# KiCad board element_foxtrot.kicad_pcb (continued)
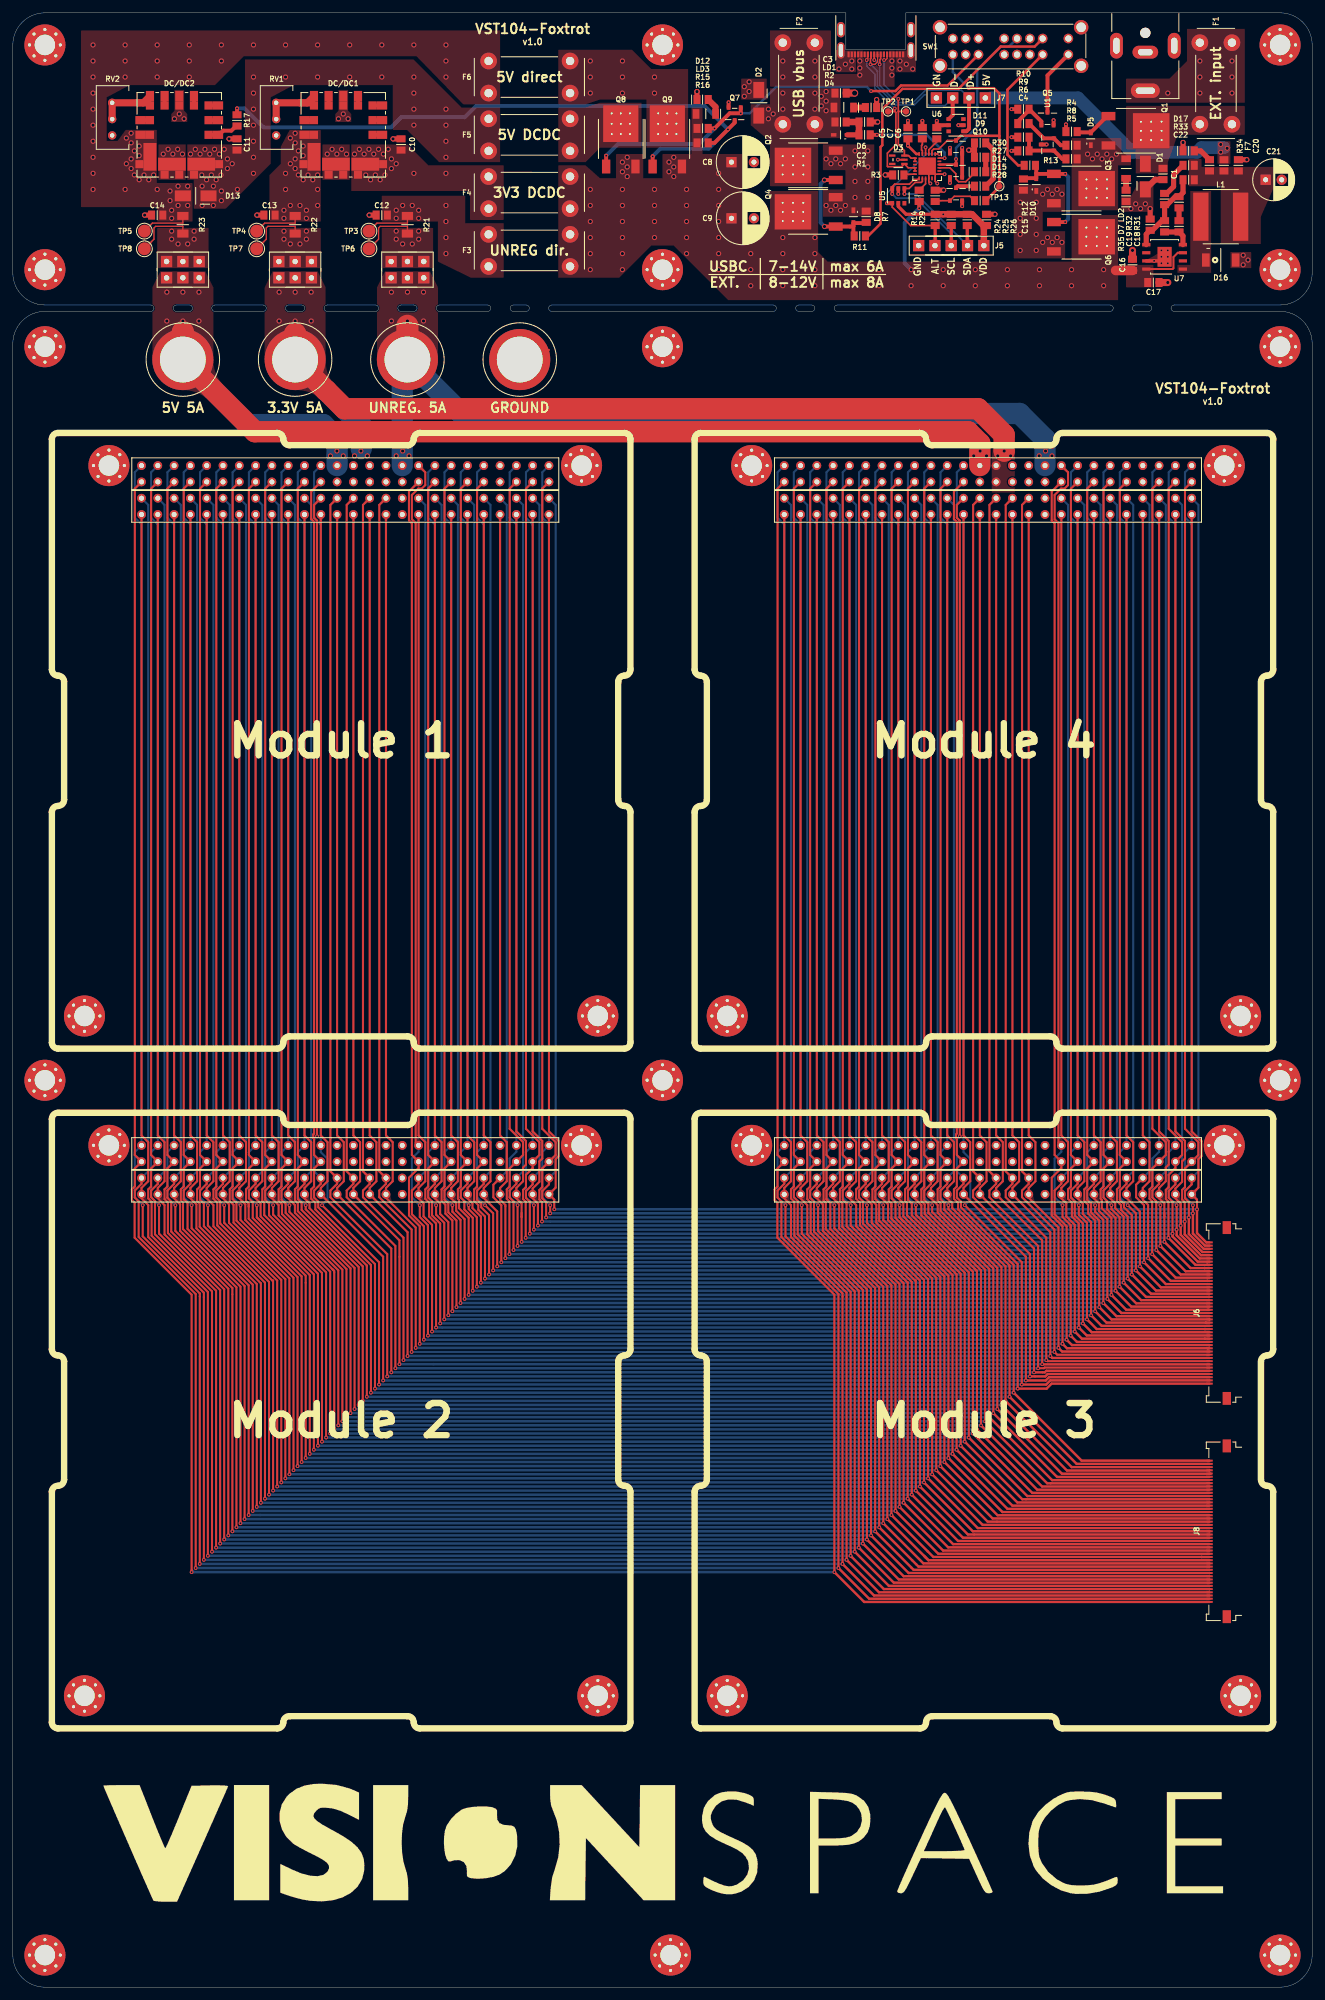
[diagram p0: board, top side]
## Copper pours and planes (outline as drawn; the poured copper is in the pictures) (continued)
/H1-45 on Top: 175.94,124.48 175.94,124.44 175.93,124.4 175.92,124.35 175.89,124.3 175.86,124.25 175.83,124.2 175.79,124.15 175.74,124.09 175.69,124.03 175.63,123.97 176.1,123.14 176.58,123.97 176.52,124.03 176.47,124.09 176.42,124.15 176.38,124.2 176.35,124.25 176.32,124.3 176.29,124.35 176.28,124.4 176.27,124.44 176.27,124.48
/H1-45 on Top: 176.27,228.11 176.27,228.2 176.28,228.29 176.29,228.37 176.32,228.45 176.35,228.53 176.38,228.61 176.42,228.68 176.47,228.75 176.52,228.81 176.58,228.88 176.1,229.71 175.63,228.88 175.69,228.81 175.74,228.75 175.79,228.68 175.83,228.61 175.86,228.53 175.89,228.45 175.92,228.37 175.93,228.29 175.94,228.2 175.94,228.11
/H1-46 on Top: 75.16,125.02 75.23,125.08 75.29,125.14 75.37,125.19 75.44,125.23 75.51,125.26 75.59,125.29 75.67,125.32 75.76,125.33 75.84,125.34 75.93,125.34 76.18,126.27 75.25,126.02 75.25,125.93 75.24,125.85 75.23,125.76 75.2,125.68 75.17,125.6 75.14,125.53 75.1,125.46 75.05,125.38 74.99,125.32 74.93,125.25
/H1-46 on Top: 175.33,125.02 175.4,125.08 175.46,125.14 175.54,125.19 175.61,125.23 175.68,125.26 175.76,125.29 175.84,125.32 175.93,125.33 176.01,125.34 176.1,125.34 176.35,126.27 175.42,126.02 175.42,125.93 175.41,125.85 175.4,125.76 175.37,125.68 175.34,125.6 175.31,125.53 175.27,125.46 175.22,125.38 175.16,125.32 175.1,125.25
/H1-46 on Bottom: 76.94,231.13 76.88,231.2 76.82,231.26 76.77,231.34 76.73,231.41 76.7,231.48 76.67,231.56 76.64,231.64 76.63,231.73 76.62,231.81 76.62,231.9 75.69,232.15 75.94,231.22 76.03,231.22 76.11,231.21 76.2,231.2 76.28,231.17 76.36,231.14 76.43,231.11 76.5,231.07 76.58,231.02 76.64,230.96 76.71,230.9
/H1-46 on Bottom: 76.71,127.03 76.64,126.97 76.58,126.91 76.5,126.86 76.43,126.82 76.36,126.79 76.28,126.76 76.2,126.73 76.11,126.72 76.03,126.71 75.94,126.71 75.69,125.78 76.62,126.03 76.62,126.12 76.63,126.2 76.64,126.29 76.67,126.37 76.7,126.45 76.73,126.52 76.77,126.59 76.82,126.67 76.88,126.73 76.94,126.8
/H1-46 on Bottom: 176.88,127.03 176.81,126.97 176.75,126.91 176.67,126.86 176.6,126.82 176.53,126.79 176.45,126.76 176.37,126.73 176.28,126.72 176.2,126.71 176.11,126.71 175.86,125.78 176.79,126.03 176.79,126.12 176.8,126.2 176.81,126.29 176.84,126.37 176.87,126.45 176.9,126.52 176.94,126.59 176.99,126.67 177.05,126.73 177.11,126.8
/H1-46 on Bottom: 177.11,231.13 177.05,231.2 176.99,231.26 176.94,231.34 176.9,231.41 176.87,231.48 176.84,231.56 176.81,231.64 176.8,231.73 176.79,231.81 176.79,231.9 175.86,232.15 176.11,231.22 176.2,231.22 176.28,231.21 176.37,231.2 176.45,231.17 176.53,231.14 176.6,231.11 176.67,231.07 176.75,231.02 176.81,230.96 176.88,230.9
/H1-47 on Top: 78.64,228.11 78.64,228.2 78.65,228.29 78.66,228.37 78.69,228.45 78.72,228.53 78.75,228.61 78.79,228.68 78.84,228.75 78.89,228.81 78.95,228.88 78.47,229.71 78,228.88 78.06,228.81 78.11,228.75 78.16,228.68 78.2,228.61 78.23,228.53 78.26,228.45 78.29,228.37 78.3,228.29 78.31,228.2 78.31,228.11
/H1-47 on Top: 78.31,124.48 78.31,124.44 78.3,124.4 78.29,124.35 78.26,124.3 78.23,124.25 78.2,124.2 78.16,124.15 78.11,124.09 78.06,124.03 78,123.97 78.47,123.14 78.95,123.97 78.89,124.03 78.84,124.09 78.79,124.15 78.75,124.2 78.72,124.25 78.69,124.3 78.66,124.35 78.65,124.4 78.64,124.44 78.64,124.48
/H1-47 on Top: 79.4,122.16 79.36,122.33 79.31,122.49 79.28,122.64 79.24,122.79 79.22,122.93 79.19,123.05 79.18,123.17 79.17,123.28 79.16,123.39 79.16,123.48 78.23,123.73 78.48,122.8 78.57,122.79 78.65,122.77 78.73,122.73 78.81,122.66 78.88,122.59 78.94,122.49 79.01,122.38 79.07,122.24 79.12,122.09 79.18,121.93
/H1-47 on Top: 178.48,124.48 178.48,124.44 178.47,124.4 178.46,124.35 178.43,124.3 178.4,124.25 178.37,124.2 178.33,124.15 178.28,124.09 178.23,124.03 178.17,123.97 178.65,123.14 179.12,123.97 179.06,124.03 179.01,124.09 178.96,124.15 178.92,124.2 178.89,124.25 178.86,124.3 178.83,124.35 178.82,124.4 178.81,124.44 178.81,124.48
/H1-47 on Top: 178.81,228.11 178.81,228.2 178.82,228.29 178.83,228.37 178.86,228.45 178.89,228.53 178.92,228.61 178.96,228.68 179.01,228.75 179.06,228.81 179.12,228.88 178.65,229.71 178.17,228.88 178.23,228.81 178.28,228.75 178.33,228.68 178.37,228.61 178.4,228.53 178.43,228.45 178.46,228.37 178.47,228.29 178.48,228.2 178.48,228.11
/H1-47 on Top: 179.57,122.16 179.53,122.33 179.48,122.49 179.45,122.64 179.41,122.79 179.39,122.93 179.36,123.05 179.35,123.17 179.34,123.28 179.33,123.39 179.33,123.48 178.4,123.73 178.65,122.8 178.74,122.79 178.82,122.77 178.9,122.73 178.98,122.66 179.05,122.59 179.11,122.49 179.18,122.38 179.24,122.24 179.29,122.09 179.35,121.93
/H1-48 on Top: 78.64,125.12 78.64,125.14 78.65,125.17 78.66,125.2 78.69,125.24 78.72,125.28 78.75,125.32 78.79,125.37 78.84,125.42 78.89,125.48 78.95,125.54 78.47,126.37 78,125.54 78.06,125.48 78.11,125.42 78.16,125.37 78.2,125.32 78.23,125.28 78.26,125.24 78.29,125.2 78.3,125.17 78.31,125.14 78.31,125.12
/H1-48 on Top: 178.81,125.12 178.81,125.14 178.82,125.17 178.83,125.2 178.86,125.24 178.89,125.28 178.92,125.32 178.96,125.37 179.01,125.42 179.06,125.48 179.12,125.54 178.65,126.37 178.17,125.54 178.23,125.48 178.28,125.42 178.33,125.37 178.37,125.32 178.4,125.28 178.43,125.24 178.46,125.2 178.47,125.17 178.48,125.14 178.48,125.12
/H1-48 on Bottom: 79.48,231.13 79.42,231.2 79.36,231.26 79.31,231.34 79.27,231.41 79.24,231.48 79.21,231.56 79.18,231.64 79.17,231.73 79.16,231.81 79.16,231.9 78.23,232.15 78.48,231.22 78.57,231.22 78.65,231.21 78.74,231.2 78.82,231.17 78.9,231.14 78.97,231.11 79.04,231.07 79.12,231.02 79.18,230.96 79.25,230.9
/H1-48 on Bottom: 79.25,127.03 79.18,126.97 79.12,126.91 79.04,126.86 78.97,126.82 78.9,126.79 78.82,126.76 78.74,126.73 78.65,126.72 78.57,126.71 78.48,126.71 78.23,125.78 79.16,126.03 79.16,126.12 79.17,126.2 79.18,126.29 79.21,126.37 79.24,126.45 79.27,126.52 79.31,126.59 79.36,126.67 79.42,126.73 79.48,126.8
/H1-48 on Bottom: 179.65,231.13 179.59,231.2 179.53,231.26 179.48,231.34 179.44,231.41 179.41,231.48 179.38,231.56 179.35,231.64 179.34,231.73 179.33,231.81 179.33,231.9 178.4,232.15 178.65,231.22 178.74,231.22 178.82,231.21 178.91,231.2 178.99,231.17 179.07,231.14 179.14,231.11 179.21,231.07 179.29,231.02 179.35,230.96 179.42,230.9
/H1-48 on Bottom: 179.42,127.03 179.35,126.97 179.29,126.91 179.21,126.86 179.14,126.82 179.07,126.79 178.99,126.76 178.91,126.73 178.82,126.72 178.74,126.71 178.65,126.71 178.4,125.78 179.33,126.03 179.33,126.12 179.34,126.2 179.35,126.29 179.38,126.37 179.41,126.45 179.44,126.52 179.48,126.59 179.53,126.67 179.59,126.73 179.65,126.8
/H1-49 on Top: 80.85,124.39 80.85,124.37 80.84,124.34 80.83,124.31 80.8,124.27 80.77,124.23 80.74,124.19 80.7,124.14 80.65,124.09 80.6,124.03 80.54,123.97 81.02,123.14 81.49,123.97 81.43,124.03 81.38,124.09 81.33,124.14 81.29,124.19 81.26,124.23 81.23,124.27 81.2,124.31 81.19,124.34 81.18,124.37 81.18,124.39
/H1-49 on Top: 81.18,228.11 81.18,228.2 81.19,228.29 81.2,228.37 81.23,228.45 81.26,228.53 81.29,228.61 81.33,228.68 81.38,228.75 81.43,228.81 81.49,228.88 81.02,229.71 80.54,228.88 80.6,228.81 80.65,228.75 80.7,228.68 80.74,228.61 80.77,228.53 80.8,228.45 80.83,228.37 80.84,228.29 80.85,228.2 80.85,228.11
/H1-49 on Top: 81.95,122.15 81.9,122.32 81.86,122.48 81.82,122.64 81.79,122.79 81.76,122.92 81.74,123.05 81.72,123.17 81.71,123.28 81.7,123.39 81.7,123.48 80.77,123.73 81.02,122.8 81.11,122.79 81.19,122.77 81.27,122.72 81.35,122.66 81.42,122.58 81.49,122.49 81.55,122.37 81.61,122.24 81.67,122.09 81.73,121.92
/H1-49 on Top: 181.02,124.39 181.02,124.37 181.01,124.34 181,124.31 180.97,124.27 180.94,124.23 180.91,124.19 180.87,124.14 180.82,124.09 180.77,124.03 180.71,123.97 181.19,123.14 181.66,123.97 181.6,124.03 181.55,124.09 181.5,124.14 181.46,124.19 181.43,124.23 181.4,124.27 181.37,124.31 181.36,124.34 181.35,124.37 181.35,124.39
/H1-49 on Top: 181.35,228.11 181.35,228.2 181.36,228.29 181.37,228.37 181.4,228.45 181.43,228.53 181.46,228.61 181.5,228.68 181.55,228.75 181.6,228.81 181.66,228.88 181.19,229.71 180.71,228.88 180.77,228.81 180.82,228.75 180.87,228.68 180.91,228.61 180.94,228.53 180.97,228.45 181,228.37 181.01,228.29 181.02,228.2 181.02,228.11
/H1-49 on Top: 182.12,122.15 182.07,122.32 182.03,122.48 181.99,122.64 181.96,122.79 181.93,122.92 181.91,123.05 181.89,123.17 181.88,123.28 181.87,123.39 181.87,123.48 180.94,123.73 181.19,122.8 181.28,122.79 181.36,122.77 181.44,122.72 181.52,122.66 181.59,122.58 181.66,122.49 181.72,122.37 181.78,122.24 181.84,122.09 181.9,121.92
/H1-50 on Top: 81.18,125.03 81.18,125.07 81.19,125.11 81.2,125.16 81.23,125.21 81.26,125.26 81.29,125.31 81.33,125.36 81.38,125.42 81.43,125.48 81.49,125.54 81.02,126.37 80.54,125.54 80.6,125.48 80.65,125.42 80.7,125.36 80.74,125.31 80.77,125.26 80.8,125.21 80.83,125.16 80.84,125.11 80.85,125.07 80.85,125.03
/H1-50 on Top: 181.35,125.03 181.35,125.07 181.36,125.11 181.37,125.16 181.4,125.21 181.43,125.26 181.46,125.31 181.5,125.36 181.55,125.42 181.6,125.48 181.66,125.54 181.19,126.37 180.71,125.54 180.77,125.48 180.82,125.42 180.87,125.36 180.91,125.31 180.94,125.26 180.97,125.21 181,125.16 181.01,125.11 181.02,125.07 181.02,125.03
/H1-50 on Bottom: 82.02,231.13 81.96,231.2 81.9,231.26 81.85,231.34 81.81,231.41 81.78,231.48 81.75,231.56 81.72,231.64 81.71,231.73 81.7,231.81 81.7,231.9 80.77,232.15 81.02,231.22 81.11,231.22 81.19,231.21 81.28,231.2 81.36,231.17 81.44,231.14 81.51,231.11 81.58,231.07 81.66,231.02 81.72,230.96 81.79,230.9
/H1-50 on Bottom: 81.79,127.03 81.72,126.97 81.66,126.91 81.58,126.86 81.51,126.82 81.44,126.79 81.36,126.76 81.28,126.73 81.19,126.72 81.11,126.71 81.02,126.71 80.77,125.78 81.7,126.03 81.7,126.12 81.71,126.2 81.72,126.29 81.75,126.37 81.78,126.45 81.81,126.52 81.85,126.59 81.9,126.67 81.96,126.73 82.02,126.8
/H1-50 on Bottom: 182.19,231.13 182.13,231.2 182.07,231.26 182.02,231.34 181.98,231.41 181.95,231.48 181.92,231.56 181.89,231.64 181.88,231.73 181.87,231.81 181.87,231.9 180.94,232.15 181.19,231.22 181.28,231.22 181.36,231.21 181.45,231.2 181.53,231.17 181.61,231.14 181.68,231.11 181.75,231.07 181.83,231.02 181.89,230.96 181.96,230.9
/H1-50 on Bottom: 181.96,127.03 181.89,126.97 181.83,126.91 181.75,126.86 181.68,126.82 181.61,126.79 181.53,126.76 181.45,126.73 181.36,126.72 181.28,126.71 181.19,126.71 180.94,125.78 181.87,126.03 181.87,126.12 181.88,126.2 181.89,126.29 181.92,126.37 181.95,126.45 181.98,126.52 182.02,126.59 182.07,126.67 182.13,126.73 182.19,126.8
/H1-51 on Top: 84.33,124.49 84.26,124.43 84.2,124.37 84.12,124.32 84.05,124.28 83.98,124.25 83.9,124.22 83.82,124.19 83.73,124.18 83.65,124.17 83.56,124.17 83.31,123.24 84.24,123.49 84.24,123.58 84.25,123.66 84.26,123.75 84.29,123.83 84.32,123.91 84.35,123.98 84.39,124.05 84.44,124.13 84.5,124.19 84.56,124.26
/H1-51 on Top: 83.72,228.11 83.72,228.2 83.73,228.29 83.74,228.37 83.77,228.45 83.8,228.53 83.83,228.61 83.87,228.68 83.92,228.75 83.97,228.81 84.03,228.88 83.56,229.71 83.08,228.88 83.14,228.81 83.19,228.75 83.24,228.68 83.28,228.61 83.31,228.53 83.34,228.45 83.37,228.37 83.38,228.29 83.39,228.2 83.39,228.11
/H1-51 on Top: 84.49,122.77 84.44,122.83 84.4,122.89 84.36,122.95 84.33,123.01 84.3,123.08 84.28,123.15 84.26,123.23 84.25,123.31 84.24,123.39 84.24,123.48 83.31,123.73 83.56,122.8 83.65,122.8 83.73,122.79 83.81,122.78 83.89,122.76 83.96,122.74 84.03,122.71 84.09,122.68 84.15,122.64 84.21,122.6 84.27,122.55
/H1-51 on Top: 183.89,228.11 183.89,228.2 183.9,228.29 183.91,228.37 183.94,228.45 183.97,228.53 184,228.61 184.04,228.68 184.09,228.75 184.14,228.81 184.2,228.88 183.72,229.71 183.25,228.88 183.31,228.81 183.36,228.75 183.41,228.68 183.45,228.61 183.48,228.53 183.51,228.45 183.54,228.37 183.55,228.29 183.56,228.2 183.56,228.11
/H1-51 on Top: 184.66,122.77 184.61,122.83 184.57,122.89 184.53,122.95 184.5,123.01 184.47,123.08 184.45,123.15 184.43,123.23 184.42,123.31 184.41,123.39 184.41,123.48 183.48,123.73 183.73,122.8 183.82,122.8 183.9,122.79 183.98,122.78 184.06,122.76 184.13,122.74 184.2,122.71 184.26,122.68 184.32,122.64 184.38,122.6 184.44,122.55
/H1-51 on Top: 184.5,124.49 184.43,124.43 184.37,124.37 184.29,124.32 184.22,124.28 184.15,124.25 184.07,124.22 183.99,124.19 183.9,124.18 183.82,124.17 183.73,124.17 183.48,123.24 184.41,123.49 184.41,123.58 184.42,123.66 184.43,123.75 184.46,123.83 184.49,123.91 184.52,123.98 184.56,124.05 184.61,124.13 184.67,124.19 184.73,124.26
/H1-52 on Top: 83.72,125.03 83.72,125.07 83.73,125.11 83.74,125.16 83.77,125.21 83.8,125.26 83.83,125.31 83.87,125.36 83.92,125.42 83.97,125.48 84.03,125.54 83.56,126.37 83.08,125.54 83.14,125.48 83.19,125.42 83.24,125.36 83.28,125.31 83.31,125.26 83.34,125.21 83.37,125.16 83.38,125.11 83.39,125.07 83.39,125.03
/H1-52 on Top: 183.89,125.03 183.89,125.07 183.9,125.11 183.91,125.16 183.94,125.21 183.97,125.26 184,125.31 184.04,125.36 184.09,125.42 184.14,125.48 184.2,125.54 183.72,126.37 183.25,125.54 183.31,125.48 183.36,125.42 183.41,125.36 183.45,125.31 183.48,125.26 183.51,125.21 183.54,125.16 183.55,125.11 183.56,125.07 183.56,125.03
/H1-52 on Bottom: 84.56,231.13 84.5,231.2 84.44,231.26 84.39,231.34 84.35,231.41 84.32,231.48 84.29,231.56 84.26,231.64 84.25,231.73 84.24,231.81 84.24,231.9 83.31,232.15 83.56,231.22 83.65,231.22 83.73,231.21 83.82,231.2 83.9,231.17 83.98,231.14 84.05,231.11 84.12,231.07 84.2,231.02 84.26,230.96 84.33,230.9
/H1-52 on Bottom: 84.33,127.03 84.26,126.97 84.2,126.91 84.12,126.86 84.05,126.82 83.98,126.79 83.9,126.76 83.82,126.73 83.73,126.72 83.65,126.71 83.56,126.71 83.31,125.78 84.24,126.03 84.24,126.12 84.25,126.2 84.26,126.29 84.29,126.37 84.32,126.45 84.35,126.52 84.39,126.59 84.44,126.67 84.5,126.73 84.56,126.8
/H1-52 on Bottom: 184.73,231.13 184.67,231.2 184.61,231.26 184.56,231.34 184.52,231.41 184.49,231.48 184.46,231.56 184.43,231.64 184.42,231.73 184.41,231.81 184.41,231.9 183.48,232.15 183.73,231.22 183.82,231.22 183.9,231.21 183.99,231.2 184.07,231.17 184.15,231.14 184.22,231.11 184.29,231.07 184.37,231.02 184.43,230.96 184.5,230.9
/H1-52 on Bottom: 184.5,127.03 184.43,126.97 184.37,126.91 184.29,126.86 184.22,126.82 184.15,126.79 184.07,126.76 183.99,126.73 183.9,126.72 183.82,126.71 183.73,126.71 183.48,125.78 184.41,126.03 184.41,126.12 184.42,126.2 184.43,126.29 184.46,126.37 184.49,126.45 184.52,126.52 184.56,126.59 184.61,126.67 184.67,126.73 184.73,126.8
/H2-1 on Top: 19.28,127.56 19.35,127.62 19.41,127.68 19.49,127.73 19.56,127.77 19.63,127.8 19.71,127.83 19.79,127.86 19.88,127.87 19.96,127.88 20.05,127.88 20.3,128.81 19.37,128.56 19.37,128.47 19.36,128.39 19.35,128.3 19.32,128.22 19.29,128.14 19.26,128.07 19.22,128 19.17,127.92 19.11,127.86 19.05,127.79
/H2-1 on Top: 19.28,233.44 19.35,233.5 19.41,233.56 19.49,233.61 19.56,233.65 19.63,233.68 19.71,233.71 19.79,233.74 19.88,233.75 19.96,233.76 20.05,233.76 20.3,234.69 19.37,234.44 19.37,234.35 19.36,234.27 19.35,234.18 19.32,234.1 19.29,234.02 19.26,233.95 19.22,233.88 19.17,233.8 19.11,233.74 19.05,233.67
/H2-1 on Top: 19.05,129.34 19.11,129.27 19.17,129.21 19.22,129.13 19.26,129.06 19.29,128.99 19.32,128.91 19.35,128.83 19.36,128.74 19.37,128.66 19.37,128.57 20.3,128.32 20.05,129.25 19.96,129.25 19.88,129.26 19.79,129.27 19.71,129.3 19.63,129.33 19.56,129.36 19.49,129.4 19.41,129.45 19.35,129.51 19.28,129.57
/H2-1 on Top: 119.45,127.56 119.52,127.62 119.58,127.68 119.66,127.73 119.73,127.77 119.8,127.8 119.88,127.83 119.96,127.86 120.05,127.87 120.13,127.88 120.22,127.88 120.47,128.81 119.54,128.56 119.54,128.47 119.53,128.39 119.52,128.3 119.49,128.22 119.46,128.14 119.43,128.07 119.39,128 119.34,127.92 119.28,127.86 119.22,127.79
/H2-1 on Top: 119.45,233.44 119.52,233.5 119.58,233.56 119.66,233.61 119.73,233.65 119.8,233.68 119.88,233.71 119.96,233.74 120.05,233.75 120.13,233.76 120.22,233.76 120.47,234.69 119.54,234.44 119.54,234.35 119.53,234.27 119.52,234.18 119.49,234.1 119.46,234.02 119.43,233.95 119.39,233.88 119.34,233.8 119.28,233.74 119.22,233.67
/H2-1 on Top: 119.22,129.34 119.28,129.27 119.34,129.21 119.39,129.13 119.43,129.06 119.46,128.99 119.49,128.91 119.52,128.83 119.53,128.74 119.54,128.66 119.54,128.57 120.47,128.32 120.22,129.25 120.13,129.25 120.05,129.26 119.96,129.27 119.88,129.3 119.8,129.33 119.73,129.36 119.66,129.4 119.58,129.45 119.52,129.51 119.45,129.57
/H2-2 on Bottom: 19.28,235.98 19.35,236.04 19.41,236.1 19.49,236.15 19.56,236.19 19.63,236.22 19.71,236.25 19.79,236.28 19.88,236.29 19.96,236.3 20.05,236.3 20.3,237.23 19.37,236.98 19.37,236.89 19.36,236.81 19.35,236.72 19.32,236.64 19.29,236.56 19.26,236.49 19.22,236.42 19.17,236.34 19.11,236.28 19.05,236.21
/H2-2 on Bottom: 19.89,132.36 19.89,132.27 19.88,132.18 19.87,132.1 19.84,132.02 19.81,131.94 19.78,131.86 19.74,131.79 19.69,131.72 19.64,131.66 19.58,131.59 20.05,130.76 20.53,131.59 20.47,131.66 20.42,131.72 20.37,131.79 20.33,131.86 20.3,131.94 20.27,132.02 20.24,132.1 20.23,132.18 20.22,132.27 20.22,132.36
/H2-2 on Bottom: 19.28,130.1 19.35,130.16 19.41,130.22 19.49,130.27 19.56,130.31 19.63,130.34 19.71,130.37 19.79,130.4 19.88,130.41 19.96,130.42 20.05,130.42 20.3,131.35 19.37,131.1 19.37,131.01 19.36,130.93 19.35,130.84 19.32,130.76 19.29,130.68 19.26,130.61 19.22,130.54 19.17,130.46 19.11,130.4 19.05,130.33
/H2-2 on Bottom: 119.45,235.98 119.52,236.04 119.58,236.1 119.66,236.15 119.73,236.19 119.8,236.22 119.88,236.25 119.96,236.28 120.05,236.29 120.13,236.3 120.22,236.3 120.47,237.23 119.54,236.98 119.54,236.89 119.53,236.81 119.52,236.72 119.49,236.64 119.46,236.56 119.43,236.49 119.39,236.42 119.34,236.34 119.28,236.28 119.22,236.21
/H2-2 on Bottom: 120.06,132.36 120.06,132.27 120.05,132.18 120.04,132.1 120.01,132.02 119.98,131.94 119.95,131.86 119.91,131.79 119.86,131.72 119.81,131.66 119.75,131.59 120.22,130.76 120.7,131.59 120.64,131.66 120.59,131.72 120.54,131.79 120.5,131.86 120.47,131.94 120.44,132.02 120.41,132.1 120.4,132.18 120.39,132.27 120.39,132.36
/H2-2 on Bottom: 119.45,130.1 119.52,130.16 119.58,130.22 119.66,130.27 119.73,130.31 119.8,130.34 119.88,130.37 119.96,130.4 120.05,130.41 120.13,130.42 120.22,130.42 120.47,131.35 119.54,131.1 119.54,131.01 119.53,130.93 119.52,130.84 119.49,130.76 119.46,130.68 119.43,130.61 119.39,130.54 119.34,130.46 119.28,130.4 119.22,130.33
/H2-3 on Top: 21.82,127.56 21.89,127.62 21.95,127.68 22.03,127.73 22.1,127.77 22.17,127.8 22.25,127.83 22.33,127.86 22.42,127.87 22.5,127.88 22.59,127.88 22.84,128.81 21.91,128.56 21.91,128.47 21.9,128.39 21.89,128.3 21.86,128.22 21.83,128.14 21.8,128.07 21.76,128 21.71,127.92 21.65,127.86 21.59,127.79
/H2-3 on Top: 21.82,233.44 21.89,233.5 21.95,233.56 22.03,233.61 22.1,233.65 22.17,233.68 22.25,233.71 22.33,233.74 22.42,233.75 22.5,233.76 22.59,233.76 22.84,234.69 21.91,234.44 21.91,234.35 21.9,234.27 21.89,234.18 21.86,234.1 21.83,234.02 21.8,233.95 21.76,233.88 21.71,233.8 21.65,233.74 21.59,233.67
/H2-3 on Top: 21.59,129.34 21.65,129.27 21.71,129.21 21.76,129.13 21.8,129.06 21.83,128.99 21.86,128.91 21.89,128.83 21.9,128.74 21.91,128.66 21.91,128.57 22.84,128.32 22.59,129.25 22.5,129.25 22.42,129.26 22.33,129.27 22.25,129.3 22.17,129.33 22.1,129.36 22.03,129.4 21.95,129.45 21.89,129.51 21.82,129.57
/H2-3 on Top: 121.76,129.34 121.82,129.27 121.88,129.21 121.93,129.13 121.97,129.06 122,128.99 122.03,128.91 122.06,128.83 122.07,128.74 122.08,128.66 122.08,128.57 123.01,128.32 122.76,129.25 122.67,129.25 122.59,129.26 122.5,129.27 122.42,129.3 122.34,129.33 122.27,129.36 122.2,129.4 122.12,129.45 122.06,129.51 121.99,129.57
/H2-3 on Top: 121.99,233.44 122.06,233.5 122.12,233.56 122.2,233.61 122.27,233.65 122.34,233.68 122.42,233.71 122.5,233.74 122.59,233.75 122.67,233.76 122.76,233.76 123.01,234.69 122.08,234.44 122.08,234.35 122.07,234.27 122.06,234.18 122.03,234.1 122,234.02 121.97,233.95 121.93,233.88 121.88,233.8 121.82,233.74 121.76,233.67
/H2-3 on Top: 121.99,127.56 122.06,127.62 122.12,127.68 122.2,127.73 122.27,127.77 122.34,127.8 122.42,127.83 122.5,127.86 122.59,127.87 122.67,127.88 122.76,127.88 123.01,128.81 122.08,128.56 122.08,128.47 122.07,128.39 122.06,128.3 122.03,128.22 122,128.14 121.97,128.07 121.93,128 121.88,127.92 121.82,127.86 121.76,127.79
/H2-4 on Bottom: 21.82,235.98 21.89,236.04 21.95,236.1 22.03,236.15 22.1,236.19 22.17,236.22 22.25,236.25 22.33,236.28 22.42,236.29 22.5,236.3 22.59,236.3 22.84,237.23 21.91,236.98 21.91,236.89 21.9,236.81 21.89,236.72 21.86,236.64 21.83,236.56 21.8,236.49 21.76,236.42 21.71,236.34 21.65,236.28 21.59,236.21
/H2-4 on Bottom: 22.43,132.36 22.43,132.27 22.42,132.18 22.41,132.1 22.38,132.02 22.35,131.94 22.32,131.86 22.28,131.79 22.23,131.72 22.18,131.66 22.12,131.59 22.59,130.76 23.07,131.59 23.01,131.66 22.96,131.72 22.91,131.79 22.87,131.86 22.84,131.94 22.81,132.02 22.78,132.1 22.77,132.18 22.76,132.27 22.76,132.36
/H2-4 on Bottom: 21.82,130.1 21.89,130.16 21.95,130.22 22.03,130.27 22.1,130.31 22.17,130.34 22.25,130.37 22.33,130.4 22.42,130.41 22.5,130.42 22.59,130.42 22.84,131.35 21.91,131.1 21.91,131.01 21.9,130.93 21.89,130.84 21.86,130.76 21.83,130.68 21.8,130.61 21.76,130.54 21.71,130.46 21.65,130.4 21.59,130.33
/H2-4 on Bottom: 121.99,235.98 122.06,236.04 122.12,236.1 122.2,236.15 122.27,236.19 122.34,236.22 122.42,236.25 122.5,236.28 122.59,236.29 122.67,236.3 122.76,236.3 123.01,237.23 122.08,236.98 122.08,236.89 122.07,236.81 122.06,236.72 122.03,236.64 122,236.56 121.97,236.49 121.93,236.42 121.88,236.34 121.82,236.28 121.76,236.21
/H2-4 on Bottom: 122.6,132.36 122.6,132.27 122.59,132.18 122.58,132.1 122.55,132.02 122.52,131.94 122.49,131.86 122.45,131.79 122.4,131.72 122.35,131.66 122.29,131.59 122.76,130.76 123.24,131.59 123.18,131.66 123.13,131.72 123.08,131.79 123.04,131.86 123.01,131.94 122.98,132.02 122.95,132.1 122.94,132.18 122.93,132.27 122.93,132.36
/H2-4 on Bottom: 121.99,130.1 122.06,130.16 122.12,130.22 122.2,130.27 122.27,130.31 122.34,130.34 122.42,130.37 122.5,130.4 122.59,130.41 122.67,130.42 122.76,130.42 123.01,131.35 122.08,131.1 122.08,131.01 122.07,130.93 122.06,130.84 122.03,130.76 122,130.68 121.97,130.61 121.93,130.54 121.88,130.46 121.82,130.4 121.76,130.33
/H2-5 on Top: 24.36,127.56 24.43,127.62 24.49,127.68 24.57,127.73 24.64,127.77 24.71,127.8 24.79,127.83 24.87,127.86 24.96,127.87 25.04,127.88 25.13,127.88 25.38,128.81 24.45,128.56 24.45,128.47 24.44,128.39 24.43,128.3 24.4,128.22 24.37,128.14 24.34,128.07 24.3,128 24.25,127.92 24.19,127.86 24.13,127.79
/H2-5 on Top: 24.13,129.34 24.19,129.27 24.25,129.21 24.3,129.13 24.34,129.06 24.37,128.99 24.4,128.91 24.43,128.83 24.44,128.74 24.45,128.66 24.45,128.57 25.38,128.32 25.13,129.25 25.04,129.25 24.96,129.26 24.87,129.27 24.79,129.3 24.71,129.33 24.64,129.36 24.57,129.4 24.49,129.45 24.43,129.51 24.36,129.57
/H2-5 on Top: 24.36,233.44 24.43,233.5 24.49,233.56 24.57,233.61 24.64,233.65 24.71,233.68 24.79,233.71 24.87,233.74 24.96,233.75 25.04,233.76 25.13,233.76 25.38,234.69 24.45,234.44 24.45,234.35 24.44,234.27 24.43,234.18 24.4,234.1 24.37,234.02 24.34,233.95 24.3,233.88 24.25,233.8 24.19,233.74 24.13,233.67
/H2-5 on Top: 124.53,127.56 124.6,127.62 124.66,127.68 124.74,127.73 124.81,127.77 124.88,127.8 124.96,127.83 125.04,127.86 125.13,127.87 125.21,127.88 125.3,127.88 125.55,128.81 124.62,128.56 124.62,128.47 124.61,128.39 124.6,128.3 124.57,128.22 124.54,128.14 124.51,128.07 124.47,128 124.42,127.92 124.36,127.86 124.3,127.79
/H2-5 on Top: 124.53,233.44 124.6,233.5 124.66,233.56 124.74,233.61 124.81,233.65 124.88,233.68 124.96,233.71 125.04,233.74 125.13,233.75 125.21,233.76 125.3,233.76 125.55,234.69 124.62,234.44 124.62,234.35 124.61,234.27 124.6,234.18 124.57,234.1 124.54,234.02 124.51,233.95 124.47,233.88 124.42,233.8 124.36,233.74 124.3,233.67
/H2-5 on Top: 124.3,129.34 124.36,129.27 124.42,129.21 124.47,129.13 124.51,129.06 124.54,128.99 124.57,128.91 124.6,128.83 124.61,128.74 124.62,128.66 124.62,128.57 125.55,128.32 125.3,129.25 125.21,129.25 125.13,129.26 125.04,129.27 124.96,129.3 124.88,129.33 124.81,129.36 124.74,129.4 124.66,129.45 124.6,129.51 124.53,129.57
/H2-6 on Bottom: 24.36,235.98 24.43,236.04 24.49,236.1 24.57,236.15 24.64,236.19 24.71,236.22 24.79,236.25 24.87,236.28 24.96,236.29 25.04,236.3 25.13,236.3 25.38,237.23 24.45,236.98 24.45,236.89 24.44,236.81 24.43,236.72 24.4,236.64 24.37,236.56 24.34,236.49 24.3,236.42 24.25,236.34 24.19,236.28 24.13,236.21
/H2-6 on Bottom: 24.97,132.36 24.97,132.27 24.96,132.18 24.95,132.1 24.92,132.02 24.89,131.94 24.86,131.86 24.82,131.79 24.77,131.72 24.72,131.66 24.66,131.59 25.13,130.76 25.61,131.59 25.55,131.66 25.5,131.72 25.45,131.79 25.41,131.86 25.38,131.94 25.35,132.02 25.32,132.1 25.31,132.18 25.3,132.27 25.3,132.36
/H2-6 on Bottom: 24.36,130.1 24.43,130.16 24.49,130.22 24.57,130.27 24.64,130.31 24.71,130.34 24.79,130.37 24.87,130.4 24.96,130.41 25.04,130.42 25.13,130.42 25.38,131.35 24.45,131.1 24.45,131.01 24.44,130.93 24.43,130.84 24.4,130.76 24.37,130.68 24.34,130.61 24.3,130.54 24.25,130.46 24.19,130.4 24.13,130.33
